# KiCad board final-cu.kicad_pcb (continued)
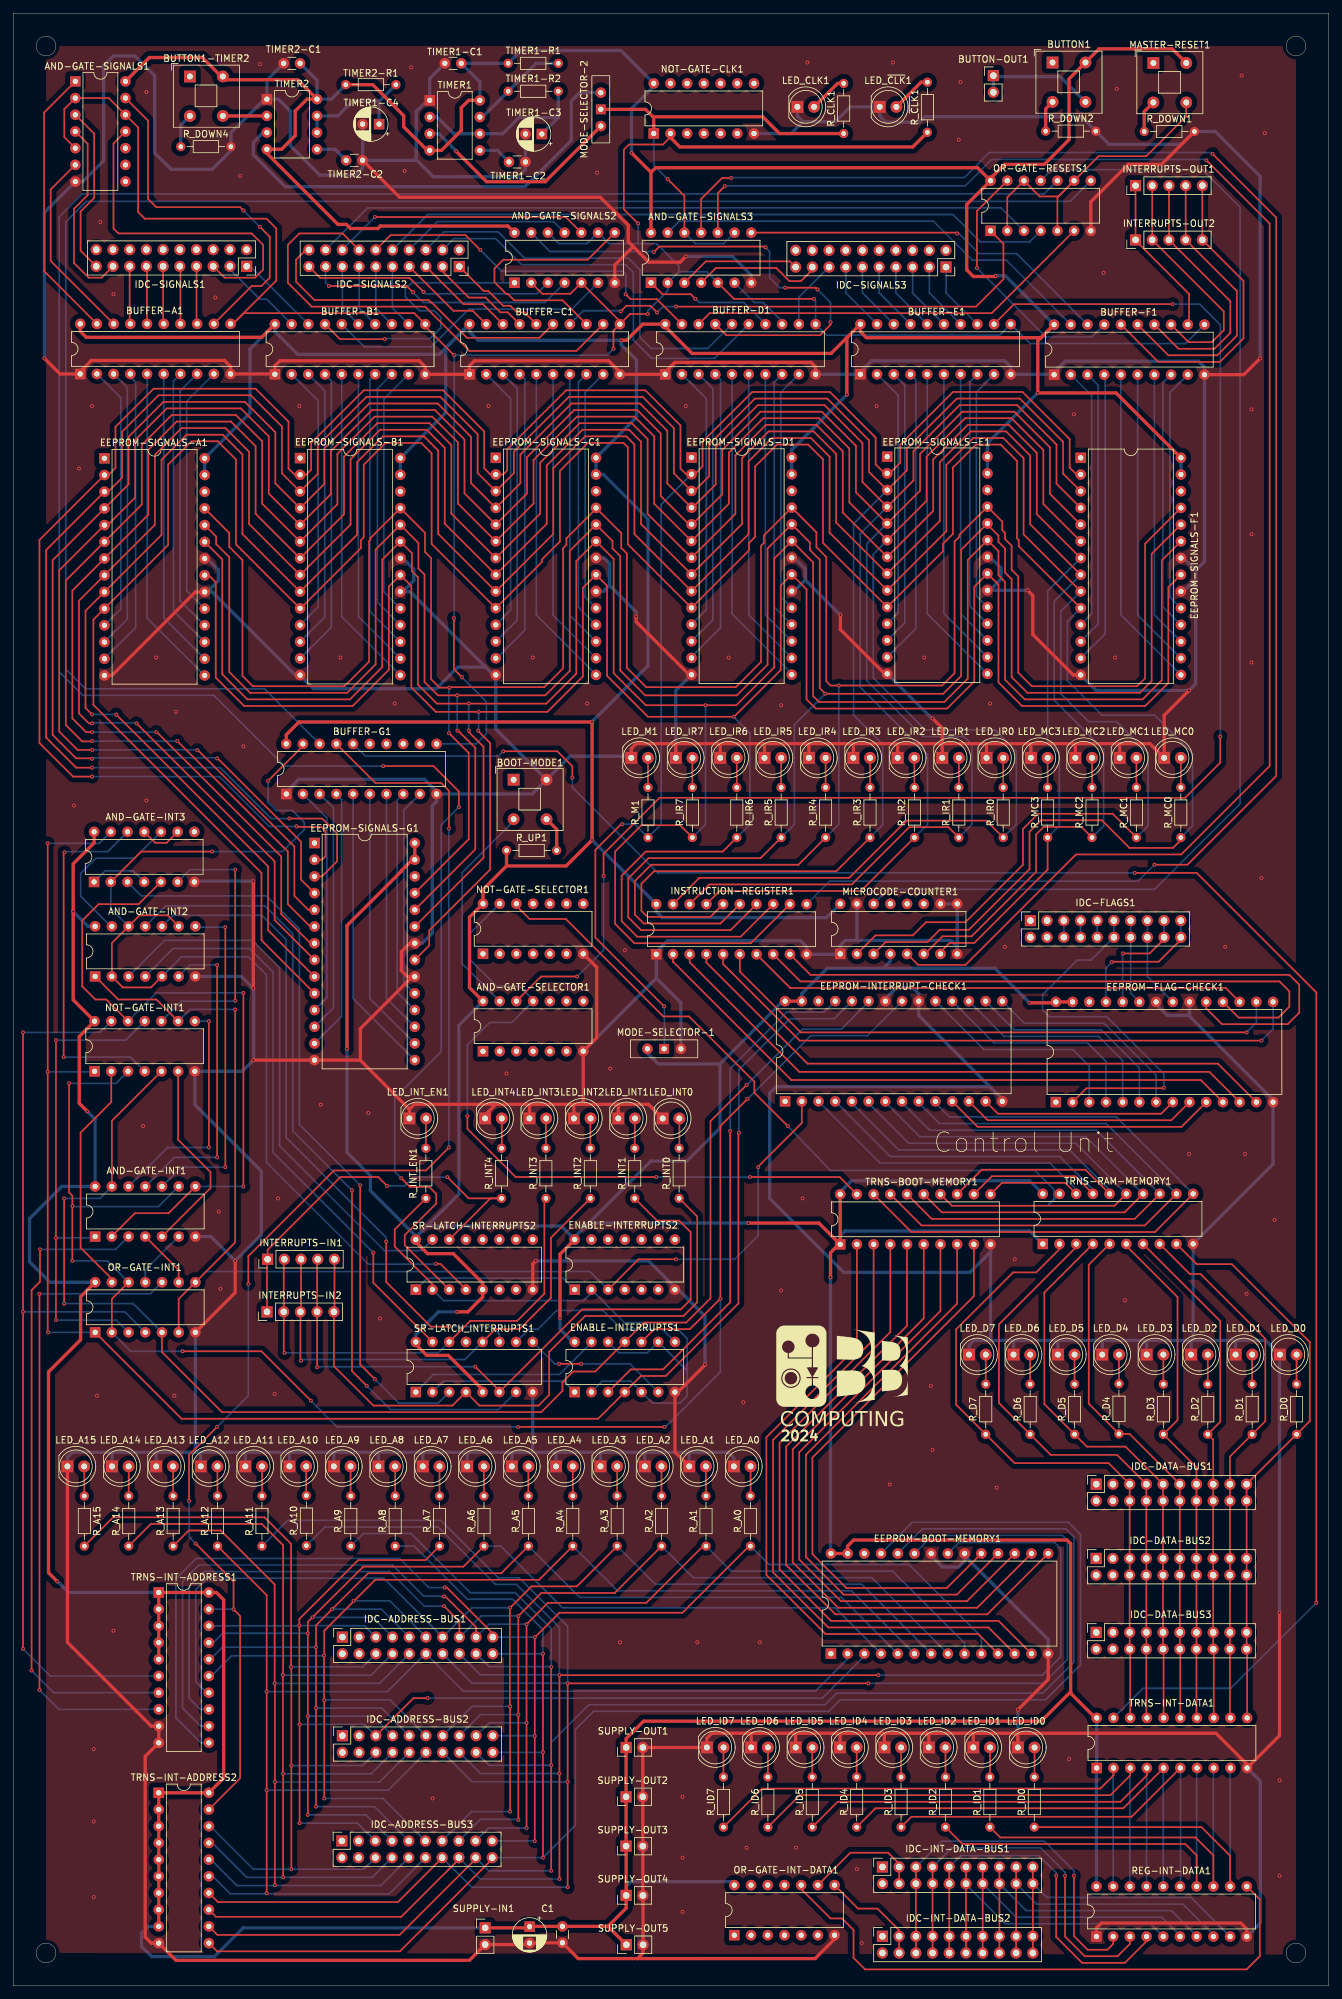
[diagram p0: board, top side]
## Routing (per net, layer and track width the routed paths; a pad name or vN(x,y) marks a point on that pad's centre or on a via; arc(x,y) is an arc through that point) (continued)
VCC: length 1846
  Top w0.5: v1(6.7,61.5) 5.38,62.82 5.38,93.38 10.25,98.25 10.25,104.79 OR-GATE-INT1.14 ; 157.67,252.08 BUFFER-F1.20 ; 157.67,252.08 156.25,250.65 129.7,250.65 128.79,251.57 BUFFER-E1.20 126.74,250.65 ; 157.67,252.08 155.75,250.15 v1(155.75,242.25) 167.65,242.25 EEPROM-SIGNALS-F1.28 ; TRNS-INT-ADDRESS2.9 TRNS-INT-ADDRESS2.8 TRNS-INT-ADDRESS2.7 TRNS-INT-ADDRESS2.6 TRNS-INT-ADDRESS2.5 TRNS-INT-ADDRESS2.4 TRNS-INT-ADDRESS2.3 TRNS-INT-ADDRESS2.2 TRNS-INT-ADDRESS2.1 TRNS-INT-ADDRESS2.20 32,31.61 32,58.7 30.88,59.82 TRNS-INT-ADDRESS1.20 TRNS-INT-ADDRESS1.1 TRNS-INT-ADDRESS1.2 TRNS-INT-ADDRESS1.3 TRNS-INT-ADDRESS1.4 TRNS-INT-ADDRESS1.5 ; OR-GATE-RESETS1.14 146.6,276.5 97.67,276.5 96.96,275.79 ; OR-GATE-RESETS1.14 144.95,270.89 144.95,260.96 145.96,259.95 149.25,259.95 v1(149.36,260.06) ; OR-GATE-RESETS1.14 148.58,274.88 150.7,277 156.75,277 160.5,280.75 160.5,290 BUTTON1.2 165.07,294.57 176.18,294.57 MASTER-RESET1.2 ; 160.75,44.72 160.75,67.25 160.2,67.8 127.77,67.8 126.85,66.88 EEPROM-BOOT-MEMORY1.27 EEPROM-BOOT-MEMORY1.28 ; 160.75,44.72 156.28,40.25 95.84,40.25 93.19,37.6 SUPPLY-OUT1.1 93.17,36.24 SUPPLY-OUT2.1 SUPPLY-OUT3.1 93.19,21.24 SUPPLY-OUT4.1 93.19,11.81 90.42,9.04 ; 160.75,44.72 160.75,44.5 164.5,40.75 TRNS-INT-DATA1.20 ; SR-LATCH-INTERRUPTS2.16 61.2,113.14 62.99,111.35 66.9,111.35 71.36,106.88 SR-LATCH-INTERRUPTS2.5 71.36,104.74 69.12,102.5 v1(67.5,102.5) ; 75,170.31 R_UP1.1 ; 75,170.31 84.06,170.31 v1(88,174.25) v1(88,192.25) 87.95,192.2 43.45,192.2 41.51,190.26 BUFFER-G1.20 ; 75,170.31 71.42,166.73 NOT-GATE-SELECTOR1.14 69.37,162.52 69.37,151.8 AND-GATE-SELECTOR1.14 ; 90.42,9.04 SUPPLY-OUT5.1 ; 90.42,9.04 C2.1 78.79,9.04 78.75,9 C1.1 78.32,8.82 SUPPLY-IN1.1 ; BUFFER-B1.20 37.79,250.7 11.11,250.7 10.19,251.62 BUFFER-A1.20 ; v1(83.12,101.54) 83.12,111.26 ENABLE-INTERRUPTS2.14 ; v1(126.74,241.99) 126.74,250.65 ; 126.74,250.65 124.34,248.25 103.21,248.25 99.12,252.34 BUFFER-D1.20 95.7,252.7 93.25,250.25 v1(92.43,250.25) ; v1(124.25,107.75) 124.25,111.5 125.51,112.76 TRNS-BOOT-MEMORY1.1 ; AND-GATE-SIGNALS3.14 96.96,275.79 ; 96.96,275.79 v1(94,278.75) ; TRNS-BOOT-MEMORY1.1 TRNS-BOOT-MEMORY1.20 ; TRNS-BOOT-MEMORY1.1 122.49,116 v1(111.75,116) ; AND-GATE-INT3.14 12.3,173.8 9.12,170.62 v1(9.12,163.38) 9.12,149.95 NOT-GATE-INT1.14 10.05,144.38 10.05,134.2 v1(11.25,133) ; SR-LATCH_INTERRUPTS1.16 61.2,97.54 62.88,95.88 66.15,95.88 71.36,90.66 SR-LATCH_INTERRUPTS1.5 ; v1(50.75,142.5) 50.75,161.25 59,169.5 59,169.57 60.69,171.26 EEPROM-SIGNALS-G1.27 EEPROM-SIGNALS-G1.28 ; AND-GATE-SIGNALS2.14 75.2,267.62 55.82,267.62 55.44,267.25 51.27,267.25 50.65,267.88 49.38,267.88 38.57,278.68 TIMER2.4 40.8,279.3 42.87,281.37 42.87,285.12 44.67,286.92 TIMER2.8 43.24,289.87 32.37,289.87 BUTTON1-TIMER2.2 31.63,290.37 28.75,293.25 20.69,293.25 AND-GATE-SIGNALS1.14 ; EEPROM-FLAG-CHECK1.27 EEPROM-FLAG-CHECK1.28 158.37,149.5 v1(154.5,149.5) ; EEPROM-INTERRUPT-CHECK1.28 EEPROM-INTERRUPT-CHECK1.27 ; TIMER2-R1.1 54.66,289.12 59.37,284.41 59.37,282.71 62.96,279.12 TIMER1.4 65.08,279.12 68.12,282.16 68.12,285.62 69.24,286.74 TIMER1.8
  Bottom w0.5: TRNS-RAM-MEMORY1.20 154.53,122.44 127.41,122.44 125.72,120.74 TRNS-BOOT-MEMORY1.20 ; 87.38,115.87 85.36,113.85 ENABLE-INTERRUPTS2.14 83.31,115.54 62.9,115.54 61.2,113.85 ; 87.38,115.87 96.93,125.43 102.43,125.43 107.45,130.45 107.45,140.2 ; 87.38,115.87 87.51,116 v1(111.75,116) ; 132.3,154.75 133.34,155.8 MICROCODE-COUNTER1.4 ; 132.3,154.75 123.75,154.75 119.88,150.88 EEPROM-INTERRUPT-CHECK1.27 ; 132.3,154.75 149.25,154.75 v1(154.5,149.5) ; SUPPLY-OUT4.1 93.19,15.1 93.94,15.85 109.09,15.85 OR-GATE-INT-DATA1.14 ; AND-GATE-INT2.14 11.37,161.13 v1(9.12,163.38) ; TIMER1.8 70.94,289.55 TIMER1-C1.1 TIMER1-R1.1 77.2,294.32 92.38,294.32 NOT-GATE-CLK1.14 97.38,288.88 94,285.5 v1(94,278.75) ; EEPROM-SIGNALS-E1.27 EEPROM-SIGNALS-E1.28 148.11,234.61 v1(155.75,242.25) ; ENABLE-INTERRUPTS1.14 85.08,97.93 83.12,99.88 v1(83.12,101.54) ; MODE-SELECTOR-1.1 96.42,141.83 98.05,140.2 107.45,140.2 ; EEPROM-BOOT-MEMORY1.28 124.25,65.81 v1(124.25,107.75) ; AND-GATE-SELECTOR1.14 67.75,146.08 67.75,120.4 61.2,113.85 ; v1(126.74,241.99) 118.36,233.61 EEPROM-SIGNALS-D1.28 EEPROM-SIGNALS-D1.27 ; v1(6.7,61.5) 6.75,61.5 8.43,59.82 TRNS-INT-ADDRESS1.1 ; TRNS-RAM-MEMORY1.1 154.53,114.81 126.47,114.81 125.72,114.06 TRNS-BOOT-MEMORY1.1 ; 107.45,140.2 117,149.75 EEPROM-INTERRUPT-CHECK1.28 ; TIMER2-C1.1 46.19,289.8 TIMER2.8 48.36,286.92 TIMER2-R1.1 ; v1(149.36,260.06) 150.82,260.06 BUFFER-F1.20 ; TRNS-INT-DATA1.20 TRNS-INT-DATA1.1 164.67,33.08 REG-INT-DATA1.20 ; SR-LATCH_INTERRUPTS1.16 61.2,99.06 64.65,102.5 v1(67.5,102.5) ; TRNS-INT-ADDRESS2.9 20.54,9.04 19.5,8 19.5,6 21.05,4.45 30.6,4.45 34.97,8.82 SUPPLY-IN1.1 ; EEPROM-SIGNALS-B1.27 EEPROM-SIGNALS-B1.28 65.75,239.23 65.75,249.08 BUFFER-C1.20 ; 61.2,113.85 SR-LATCH-INTERRUPTS2.16 61.2,114.04 54.3,120.95 54.3,123.2 50.75,126.75 v1(50.75,142.5) ; MICROCODE-COUNTER1.16 123.62,162.45 98.68,162.45 97.76,163.37 INSTRUCTION-REGISTER1.20 91.54,170.72 91.53,170.72 v1(88,174.25) ; v1(11.25,133) 12.46,131.79 AND-GATE-INT1.14 7.38,121.57 2.5,116.69 2.5,110.11 5.61,107 OR-GATE-INT1.14 ; BUFFER-C1.20 69.37,251.57 70.68,250.25 v1(92.43,250.25) 92.43,249.57 94.75,247.25 94.75,238.52 EEPROM-SIGNALS-C1.28 EEPROM-SIGNALS-C1.27 89.74,229.84 96.5,223.08 96.5,200.75 v1(88,192.25) ; BUFFER-C1.20 64.79,248.12 43.23,248.12 39.79,251.57 BUFFER-B1.20 36,248.91 36,239.18 EEPROM-SIGNALS-A1.28 EEPROM-SIGNALS-A1.27 ; EEPROM-SIGNALS-F1.28 EEPROM-SIGNALS-F1.27
(INT_1``_OR_INT_2``)_AND_(~{INT_3``_OR_INT_4``}): length 99.6
  Top w0.25: v1(2.8,47.95) 2.8,105.8 4.08,107.07 v1(4.08,112)
  Bottom w0.25: v1(4.08,112) 15.59,112 AND-GATE-INT1.3 ; v1(2.8,47.95) 6.17,44.58 TRNS-INT-ADDRESS1.7
(~{INT_3``}_AND_(~{INT_1``}_OR_INT_2``))_OR_INT_4``: length 99
  Top w0.25: v1(4,105.25) v1(4,45)
  Bottom w0.25: TRNS-INT-ADDRESS1.8 6.96,42.04 v1(4,45) ; v1(4,105.25) 20.87,105.25 OR-GATE-INT1.10
ADDRESS0: length 214.5
  Top w0.25: R_A0.1 111.88,66.88 101.75,56.75 83.04,56.75 v1(79.29,53) v1(79.29,38) v1(79.29,22) ; IDC-ADDRESS-BUS1.19 72.91,53.59 65.93,60.57 v1(65.6,60.57)
  Bottom w0.25: v1(79.29,38) 79.25,38.04 IDC-ADDRESS-BUS2.19 ; IDC-ADDRESS-BUS1.19 79.21,53.04 ; IDC-ADDRESS-BUS3.19 79.25,22.04 v1(79.29,22) ; TRNS-INT-ADDRESS1.11 28.54,36.96 24.75,40.75 24.75,61.91 27.84,65 58.75,65 63.18,60.57 v1(65.6,60.57) ; R_A0.1 114.88,64.07 136.18,64.07 147.17,53.08 EEPROM-BOOT-MEMORY1.10
ADDRESS1: length 211.2
  Top w0.25: IDC-ADDRESS-BUS1.17 70.37,54.54 65.69,59.22 v1(65.5,59.22) ; R_A1.1 104.88,66.88 96.25,58.25 81.29,58.25 v1(78.04,55) v1(78.04,40) v1(78.04,24)
  Bottom w0.25: IDC-ADDRESS-BUS1.17 72.33,55 78,55 ; v1(78.04,40) 72.33,40 IDC-ADDRESS-BUS2.17 ; IDC-ADDRESS-BUS3.17 72.25,24 v1(78.04,24) ; v1(65.5,59.22) 65.47,59.25 62.41,59.25 57.66,64 28.25,64 25.75,61.5 25.75,42.25 28.5,39.5 TRNS-INT-ADDRESS1.12 ; R_A1.1 109.12,63.07 133.68,63.07 144.63,52.12 EEPROM-BOOT-MEMORY1.9
ADDRESS2: length 206.7
  Top w0.25: v1(76.79,25.25) v1(76.79,41.25) v1(76.79,56.25) 80.29,59.75 91.5,59.75 91.5,59.81 R_A2.1 ; IDC-ADDRESS-BUS1.15 67.83,55.42 v1(65.5,57.75)
  Bottom w0.25: IDC-ADDRESS-BUS2.15 71.04,41.25 v1(76.79,41.25) ; TRNS-INT-ADDRESS1.13 28.46,42.04 26.75,43.75 26.75,60.75 29,63 57.25,63 62.5,57.75 v1(65.5,57.75) ; IDC-ADDRESS-BUS3.15 71.03,25.32 76.72,25.32 v1(76.79,25.25) ; EEPROM-BOOT-MEMORY1.8 130.53,62.07 103.38,62.07 R_A2.1 ; 76.75,56.25 71.14,56.25 67.93,53.04 IDC-ADDRESS-BUS1.15
ADDRESS3: length 200.7
  Top w0.25: v1(75.54,26.5) v1(75.54,42.5) 75.5,42.54 75.5,57.46 v1(75.54,57.5) 78.79,60.75 85.69,60.75 R_A3.1
  Bottom w0.25: TRNS-INT-ADDRESS1.14 29.42,44.58 27.75,46.25 27.75,60.25 29.5,62 56.33,62 IDC-ADDRESS-BUS1.13 69.75,57.5 75.5,57.5 ; IDC-ADDRESS-BUS2.13 69.75,42.5 v1(75.54,42.5) ; EEPROM-BOOT-MEMORY1.7 128.99,61.07 97.62,61.07 R_A3.1 ; IDC-ADDRESS-BUS3.13 69.67,26.5 v1(75.54,26.5)
ADDRESS4: length 195.3
  Top w0.25: R_A4.1 79.94,61.75 55.04,61.75 47.29,54 47.29,50.29 v1(47.25,50.25) 47.25,43.47 v1(47.29,43.43) 47.29,28.5 v1(47.29,28.5)
  Bottom w0.25: IDC-ADDRESS-BUS1.11 57.25,58.54 v1(51.75,58.54) ; v1(47.29,28.5) 56.21,28.5 IDC-ADDRESS-BUS3.11 ; IDC-ADDRESS-BUS2.11 57.29,43.5 47.37,43.5 v1(47.29,43.43) ; v1(47.25,50.25) 47.2,50.2 33.2,50.2 30.12,47.12 TRNS-INT-ADDRESS1.15 ; EEPROM-BOOT-MEMORY1.6 127.44,60.07 91.88,60.07 R_A4.1
ADDRESS5: length 190.5
  Top w0.25: v1(46.04,27.25) v1(46.04,42.25) 46.04,51.46 v1(46,51.5) 46.04,51.54 46.04,54.83 53.96,62.75 74.19,62.75 R_A5.1
  Bottom w0.25: IDC-ADDRESS-BUS1.9 55.96,57.29 v1(48.5,57.29) ; v1(46.04,42.25) 56,42.25 IDC-ADDRESS-BUS2.9 ; v1(46.04,27.25) 54.92,27.25 IDC-ADDRESS-BUS3.9 ; TRNS-INT-ADDRESS1.16 29.95,49.66 31.8,51.5 v1(46,51.5) ; EEPROM-BOOT-MEMORY1.5 125.91,59.07 86.13,59.07 R_A5.1
ADDRESS6: length 185.6
  Top w0.25: R_A6.1 68.44,63.75 53.21,63.75 44.79,55.33 v1(44.79,53.61) v1(44.79,41) v1(44.79,26)
  Bottom w0.25: IDC-ADDRESS-BUS2.7 54.71,41 v1(44.79,41) ; IDC-ADDRESS-BUS3.7 53.63,26 v1(44.79,26) ; v1(45.5,56.04) 54.67,56.04 IDC-ADDRESS-BUS1.7 ; R_A6.1 74.12,66.88 83.5,57.5 124.94,57.5 EEPROM-BOOT-MEMORY1.4 ; v1(44.79,53.61) 31.86,53.61 30.45,52.2 TRNS-INT-ADDRESS1.17
ADDRESS7: length 187.7
  Top w0.25: IDC-ADDRESS-BUS2.5 60.84,43.75 v1(63,43.75) ; R_A7.1 62.69,64.75 52.46,64.75 43.5,55.79 v1(43.5,54.79) 43.5,39.79 v1(43.54,39.75) v1(43.54,24.75)
  Bottom w0.25: TRNS-INT-ADDRESS1.18 43.45,54.74 v1(43.5,54.79) 53.41,54.76 IDC-ADDRESS-BUS1.5 ; IDC-ADDRESS-BUS3.5 52.34,24.75 v1(43.54,24.75) ; v1(63,43.75) 123,43.75 129.39,50.14 EEPROM-BOOT-MEMORY1.3 ; v1(43.54,39.75) 43.56,39.76 53.41,39.76 IDC-ADDRESS-BUS2.5
ADDRESS8: length 290.2
  Top w0.25: IDC-ADDRESS-BUS3.20 72.83,19.29 58.79,5.25 31,5.25 TRNS-INT-ADDRESS2.11 ; v1(80.54,19.5) v1(80.54,50.5)
  Bottom w0.25: R_A8.1 60.96,66.88 69.05,58.79 75.91,58.79 80.54,54.16 v1(80.54,50.5) ; EEPROM-BOOT-MEMORY1.25 136.68,70.5 160.41,70.5 162.25,68.66 162.25,48.82 156.93,43.5 125.75,43.5 124,41.75 88.25,41.75 85.47,38.96 85.47,24.43 v1(80.54,19.5) IDC-ADDRESS-BUS3.20 ; v1(80.54,35.54) 80.5,35.5 IDC-ADDRESS-BUS2.20 ; IDC-ADDRESS-BUS1.20 80.46,50.5
ADDRESS9: length 292.8
  Top w0.25: IDC-ADDRESS-BUS3.18 70.29,19.29 58.75,7.75 31.04,7.75 TRNS-INT-ADDRESS2.12 ; v1(81.79,17.5) v1(81.79,48.5)
  Bottom w0.25: v1(81.79,48.5) 81.79,54.33 76.33,59.79 69.46,59.79 60.46,68.79 53.23,68.79 R_A9.1 ; 81.75,48.54 72.33,48.54 IDC-ADDRESS-BUS1.18 ; IDC-ADDRESS-BUS3.18 72.29,17.5 v1(81.79,17.5) ; EEPROM-BOOT-MEMORY1.24 138.22,69.5 160,69.5 161.25,68.25 161.25,49.23 156.52,44.5 125.16,44.5 123.41,42.75 87.5,42.75 81.79,37.04 v1(81.79,33.54) 72.33,33.54 IDC-ADDRESS-BUS2.18
ADDRESS10: length 288.3
  Top w0.25: v1(83.04,16.25) v1(83.04,47.25) v1(131.5,47.25) ; IDC-ADDRESS-BUS3.16 67.75,19.25 59,10.5 30.83,10.5 TRNS-INT-ADDRESS2.13
  Bottom w0.25: IDC-ADDRESS-BUS2.16 71.04,32.29 v1(83.04,32.29) ; v1(131.5,47.25) 156.44,47.25 159.25,50.06 159.25,66.5 158.32,67.43 143.76,67.43 EEPROM-BOOT-MEMORY1.21 ; v1(83.04,47.25) 83.04,54.5 76.5,61.04 73.34,61.04 64.59,69.79 47.42,69.79 R_A10.1 ; IDC-ADDRESS-BUS3.16 71,16.25 v1(83.04,16.25) ; 83,47.29 71.04,47.29 IDC-ADDRESS-BUS1.16
ADDRESS11: length 316.1
  Top w0.25: TRNS-INT-ADDRESS2.14 31.12,12.75 58.5,12.75 65.21,19.46 IDC-ADDRESS-BUS3.14 ; v1(84.29,15) v1(84.29,46) v1(130,46)
  Bottom w0.25: IDC-ADDRESS-BUS3.14 69.71,15 v1(84.29,15) ; 84.25,46.04 69.75,46.04 IDC-ADDRESS-BUS1.14 ; v1(84.29,46) 84.29,54.66 76.91,62.04 73.75,62.04 65,70.79 41.73,70.79 R_A11.1 ; IDC-ADDRESS-BUS2.14 69.75,31.04 v1(84.29,31.04) ; EEPROM-BOOT-MEMORY1.23 139.76,68.5 159.5,68.5 160.25,67.75 160.25,49.65 156.6,46 v1(130,46)
ADDRESS12: length 214.7
  Top w0.25: v1(38.54,14.07) v1(38.54,29.75) v1(38.54,44.75) 38.54,59.41 R_A12.1
  Bottom w0.25: v1(38.54,44.75) 56.9,44.75 62.65,50.5 IDC-ADDRESS-BUS1.12 68.42,44.82 121.94,44.82 126.85,49.74 EEPROM-BOOT-MEMORY1.2 ; TRNS-INT-ADDRESS2.15 30.34,16.66 33,14 38.47,14 v1(38.54,14.07) 38.61,14 57.17,14 IDC-ADDRESS-BUS3.12 ; v1(38.54,29.75) 57,29.75 IDC-ADDRESS-BUS2.12
ADDRESS13: length 144
  Top w0.25: R_A13.1 26.69,69.25 31.54,69.25 39.75,61.04 v1(39.75,46) 39.79,45.96 v1(39.79,31) v1(39.79,15.32)
  Bottom w0.25: v1(39.79,31) 55.71,31 IDC-ADDRESS-BUS2.10 ; v1(39.75,46) 55.71,46 IDC-ADDRESS-BUS1.10 ; IDC-ADDRESS-BUS3.10 55.88,15.25 39.86,15.25 v1(39.79,15.32) 39.72,15.25 34,15.25 30.05,19.2 TRNS-INT-ADDRESS2.16
ADDRESS14: length 144.2
  Top w0.25: 41.04,32 41,32.04 v1(41,47.25) 41.04,47.29 41.04,67 37.79,70.25 20.94,70.25 R_A14.1 ; 41.04,32 v1(41.04,16.5) ; 41.04,32 v1(41.04,32.25)
  Bottom w0.25: IDC-ADDRESS-BUS1.8 54.42,47.25 v1(41,47.25) ; v1(41.04,32.25) 54.42,32.25 IDC-ADDRESS-BUS2.8 ; IDC-ADDRESS-BUS3.8 54.59,16.5 v1(41.04,16.5) 35.5,16.5 30.26,21.74 TRNS-INT-ADDRESS2.17
ADDRESS15: length 140.5
  Top w0.25: R_A15.2 15.19,71.25 38.2,71.25 42.25,67.2 v1(42.25,48.5) 42.29,48.46 v1(42.29,33.5) v1(42.29,17.75)
  Bottom w0.25: v1(42.25,48.5) 53.13,48.5 IDC-ADDRESS-BUS1.6 ; IDC-ADDRESS-BUS2.6 53.13,33.5 v1(42.29,33.5) ; IDC-ADDRESS-BUS3.6 53.3,17.75 v1(42.29,17.75) 36.5,17.75 29.97,24.28 TRNS-INT-ADDRESS2.18
ALU_OPC_0: length 8.8
  Top w0.25: IDC-SIGNALS1.15 17.71,252.85 BUFFER-A1.17
ALU_OPC_1: length 8.8
  Top w0.25: BUFFER-A1.16 20.35,261.4 IDC-SIGNALS1.13
ALU_OPC_2: length 8.8
  Top w0.25: IDC-SIGNALS1.11 22.79,252.85 BUFFER-A1.15
ALU_OPC_3: length 8.8
  Top w0.25: IDC-SIGNALS1.9 25.43,261.4 BUFFER-A1.14
ALU_OPC_4: length 8.8
  Top w0.25: BUFFER-A1.13 27.87,252.85 IDC-SIGNALS1.7
CLK: length 67
  Top w0.25: AND-GATE-SIGNALS3.12 102.04,272.21 v1(99.5,274.75)
  Top w0.5: 97.38,284.24 97.26,284.24 96.13,285.37 MODE-SELECTOR-2.2 ; 97.38,284.24 113.95,284.24 116.5,281.69 R_CLK1.1 ; 97.38,284.24 NOT-GATE-CLK1.1
  Bottom w0.25: NOT-GATE-CLK1.1 97.38,276.88 v1(99.5,274.75) ; AND-GATE-SIGNALS3.12 103.72,264.94 107.99,264.94 AND-GATE-SIGNALS3.9
DATA0: length 87.6
  Top w0.25: 176.84,112.82 179.91,109.75 185.25,109.75 197.09,97.91 197.09,85.88 R_D0.1 195.09,83.88 IDC-DATA-BUS1.19 IDC-DATA-BUS1.20 IDC-DATA-BUS3.20 187.58,51.13 TRNS-INT-DATA1.11
DATA1: length 81.9
  Top w0.25: TRNS-RAM-MEMORY1.8 178.87,108.25 180.5,108.25 190.34,98.41 190.34,85.88 R_D1.1 184.96,80.5 IDC-DATA-BUS1.17 IDC-DATA-BUS1.18 IDC-DATA-BUS3.18 184.96,40.83 TRNS-INT-DATA1.12
DATA2: length 78.1
  Top w0.25: TRNS-INT-DATA1.13 182.5,51.13 IDC-DATA-BUS3.16 IDC-DATA-BUS1.16 IDC-DATA-BUS1.15 182.42,83.06 R_D2.1 183.5,85.78 183.5,101.08 TRNS-RAM-MEMORY1.7
DATA3: length 78.3
  Top w0.25: 169.22,112.82 169.22,112.53 177,104.75 177,86.03 R_D3.1 179.88,78.84 IDC-DATA-BUS1.13 IDC-DATA-BUS1.14 IDC-DATA-BUS3.14 179.88,40.83 TRNS-INT-DATA1.14
DATA4: length 80.1
  Top w0.25: 166.68,112.82 163.5,109.65 163.5,88.53 R_D4.1 169.69,83.94 IDC-DATA-BUS1.11 IDC-DATA-BUS1.12 IDC-DATA-BUS3.12 177.42,51.13 TRNS-INT-DATA1.15
DATA5: length 86.1
  Top w0.25: TRNS-INT-DATA1.16 174.88,51.13 IDC-DATA-BUS3.10 IDC-DATA-BUS1.10 IDC-DATA-BUS1.9 169.09,82 163.22,82 R_D5.1 156.75,88.47 156.75,105.44 TRNS-RAM-MEMORY1.4
DATA6: length 92.2
  Top w0.25: TRNS-INT-DATA1.17 172.26,40.83 IDC-DATA-BUS3.8 IDC-DATA-BUS1.8 IDC-DATA-BUS1.7 167.8,80.75 157.72,80.75 R_D6.1 149.84,88.63 149.84,100.59 161.59,112.34 TRNS-RAM-MEMORY1.3
DATA7: length 100
  Top w0.25: TRNS-INT-DATA1.18 169.8,51.13 IDC-DATA-BUS3.6 IDC-DATA-BUS1.6 IDC-DATA-BUS1.5 166.51,79.5 152.22,79.5 R_D7.1 143.34,88.38 143.34,99.84 152,108.5 155.52,108.5 159.06,112.03 159.06,112.82
FLAG0: length 21.2
  Top w0.25: v1(167,155.68) 167.07,155.75 174.14,155.75 177.49,159.1 IDC-FLAGS1.20
  Bottom w0.25: v1(167,155.68) 166.12,154.79 EEPROM-FLAG-CHECK1.25 ; IDC-FLAGS1.19 IDC-FLAGS1.20
FLAG1: length 17.3
  Top w0.25: v1(168.69,157) 172.75,157 174.95,159.2 IDC-FLAGS1.18
  Bottom w0.25: EEPROM-FLAG-CHECK1.24 168.66,156.97 v1(168.69,157) ; IDC-FLAGS1.17 IDC-FLAGS1.18
FLAG2: length 14
  Bottom w0.25: EEPROM-FLAG-CHECK1.21 172.41,153.5 IDC-FLAGS1.16 IDC-FLAGS1.15
FLAG3: length 12.9
  Bottom w0.25: EEPROM-FLAG-CHECK1.23 169.87,150.97 IDC-FLAGS1.14 IDC-FLAGS1.13
FLAG4: length 58.7
  Top w0.25: EEPROM-FLAG-CHECK1.2 163.15,136.5 174.84,136.5 v1(174.91,136.57)
  Bottom w0.25: IDC-FLAGS1.11 IDC-FLAGS1.12 163.87,156 161.75,156 156.5,150.75 156.5,148.38 157.5,147.38 166.24,147.38 174.91,138.71 v1(174.91,136.57)
FLAG5: length 2.5
  Bottom w0.25: IDC-FLAGS1.9 IDC-FLAGS1.10
FLAG6: length 2.5
  Bottom w0.25: IDC-FLAGS1.7 IDC-FLAGS1.8
FLAG7: length 2.5
  Bottom w0.25: IDC-FLAGS1.5 IDC-FLAGS1.6
INT_0: length 103
  Top w0.25: INTERRUPTS-IN1.5 48.84,102.59 INTERRUPTS-IN2.5 48.75,94.25 54.75,88.25 66.77,88.25 SR-LATCH_INTERRUPTS1.4 70.88,88.25 79.86,88.25 81.48,89.88 81.48,96.42 86.94,101.88 101.9,101.88 103.99,103.96 103.99,117.01 R_INT0.1
INT_0`: length 23
  Bottom w0.25: SR-LATCH_INTERRUPTS1.2 65.42,91.98 83.69,91.98 ENABLE-INTERRUPTS1.1
INT_0``: length 80
  Top w0.25: ENABLE-INTERRUPTS1.3 93.88,93.75 98.79,93.75 109,103.96 v1(109,130)
  Bottom w0.25: EEPROM-INTERRUPT-CHECK1.25 123.28,148.07 117.57,148.07 109,139.5 v1(109,130)
INT_1: length 101.7
  Top w0.25: INTERRUPTS-IN1.4 46.21,110.41 INTERRUPTS-IN2.4 v1(46.21,94.07) ; v1(70.25,94.16) 73.91,90.5 SR-LATCH_INTERRUPTS1.6 86.47,102.88 101.49,102.88 102.99,104.38 102.99,114.62 101.24,116.38 97.87,116.38 R_INT1.1
  Bottom w0.25: v1(70.25,94.16) 46.29,94.16 v1(46.21,94.07)
INT_1`: length 22.2
  Top w0.25: v1(86.34,94.6) 83.01,94.6 v1(83,94.59)
  Bottom w0.25: ENABLE-INTERRUPTS1.6 93.76,94.6 v1(86.34,94.6) ; SR-LATCH_INTERRUPTS1.9 82.32,94.59 v1(83,94.59)
INT_1``: length 266.5
  Top w0.25: v1(110.32,129.74) 110.25,129.66 110.25,103.79 99.21,92.75 95.42,92.75 ENABLE-INTERRUPTS1.4 88.92,86.25 25.59,86.25 OR-GATE-INT1.1 ; v1(5.3,99.38) 5.25,99.44 v1(5.25,139) v1(5.25,173.75)
  Bottom w0.25: AND-GATE-INT3.13 13.09,173.75 v1(5.25,173.75) ; v1(110.32,129.74) 110.32,139.32 118.07,147.07 124.82,147.07 EEPROM-INTERRUPT-CHECK1.24 ; v1(5.25,139) 12.3,139 ; v1(5.3,99.38) OR-GATE-INT1.1
INT_1``_AND_~{INT_2``}_AND_(~{INT3``_OR_INT4``}): length 24.9
  Bottom w0.25: AND-GATE-INT3.10 18.46,171.5 12.57,171.5 10.25,169.18 10.25,165.71 14.83,161.13 AND-GATE-INT2.13
INT_1``_OR_INT_2``: length 74.8
  Top w0.25: v1(6.5,101.25) v1(6.5,113.75) v1(6.5,143.82)
  Bottom w0.25: NOT-GATE-INT1.11 17.12,143.82 v1(6.5,143.82) ; OR-GATE-INT1.3 15.67,101.25 v1(6.5,101.25) ; v1(6.5,113.75) 12.26,113.75
INT_2: length 75.1
  Top w0.25: v1(43.75,95.07) 43.67,95.16 INTERRUPTS-IN2.3 43.76,102.59 INTERRUPTS-IN1.3 ; SR-LATCH_INTERRUPTS1.12 73.31,99.88 76.98,99.88 81.75,104.64 81.75,113.77 R_INT2.1
  Bottom w0.25: v1(43.75,95.07) 43.92,95.25 68.69,95.25 SR-LATCH_INTERRUPTS1.12
INT_2`: length 28.1
  Bottom w0.25: ENABLE-INTERRUPTS1.8 98.67,99.85 92.51,99.85 89.65,102.72 82.64,102.72 79.78,99.85 78.38,99.85 SR-LATCH_INTERRUPTS1.10
INT_2``: length 262.4
  Top w0.25: v1(111.62,134.88) 107.5,130.75 v1(107.5,104.5) 102.87,99.87 97.47,99.87 ENABLE-INTERRUPTS1.10 ; OR-GATE-INT1.2 15,104.46 OR-GATE-INT1.12 ; v1(9,110.25) v1(9,118.57) 9,120.16 8.5,120.66 v1(8.5,137.25) ; v1(45.25,89) 37.75,96.5 v1(25.75,96.5) ; v1(99,85) v1(76.75,85)
  Bottom w0.25: OR-GATE-INT1.2 17.88,96.5 v1(25.75,96.5) ; EEPROM-INTERRUPT-CHECK1.21 129.87,144.5 121.25,144.5 v1(111.62,134.88) ; v1(45.25,89) 49.25,85 v1(76.75,85) ; v1(8.5,137.25) 15.62,137.25 NOT-GATE-INT1.3 ; v1(9,118.57) 9.08,118.5 22.09,118.5 AND-GATE-INT1.9 ; OR-GATE-INT1.12 14.29,110.25 v1(9,110.25) ; v1(99,85) 99.15,85 107.5,93.35 v1(107.5,104.5)
INT_2``_AND_(~{INT_3``_OR_INT_4``}): length 51.9
  Top w0.25: v1(32.25,161) v1(32.25,124.5)
  Bottom w0.25: v1(32.25,124.5) 25.55,124.5 AND-GATE-INT1.10 ; AND-GATE-INT2.8 27.83,161 v1(32.25,161)
INT_3: length 72.2
  Top w0.25: v1(41.25,96.25) 41.13,96.37 INTERRUPTS-IN2.2 41.13,110.41 INTERRUPTS-IN1.2 ; SR-LATCH_INTERRUPTS1.14 69.48,101.12 76.6,101.12 80.73,105.25 80.75,105.25 80.75,119.52 R_INT3.1
  Bottom w0.25: v1(41.25,96.25) 64.61,96.25 SR-LATCH_INTERRUPTS1.14
INT_3`: length 29.9
  Bottom w0.25: ENABLE-INTERRUPTS1.13 87.9,97.83 83.05,92.98 63.88,92.98 SR-LATCH_INTERRUPTS1.1
INT_3``: length 218
  Top w0.25: AND-GATE-INT1.13 15,131.54 NOT-GATE-INT1.5 ; OR-GATE-INT1.5 22.62,96.38 31.75,87.25 80.27,87.25 83.5,90.48 83.5,91.79 85.14,93.43 88.48,93.43 ENABLE-INTERRUPTS1.11 95.93,100.88 102.31,100.88 106,104.56 106,131.5 v1(111.5,137) ; v1(7.75,119.75) v1(7.75,103.75)
  Bottom w0.25: EEPROM-INTERRUPT-CHECK1.23 130.04,149.65 125.9,145.5 120,145.5 v1(111.5,137) ; OR-GATE-INT1.5 18.25,103.75 v1(7.75,103.75) ; v1(7.75,119.75) 13.18,119.75 AND-GATE-INT1.13
INT_3``_AND_~{INT_4``}: length 48.6
  Top w0.25: v1(31,155.25) v1(31,126)
  Bottom w0.25: v1(31,126) 24.51,126 AND-GATE-INT1.11 ; v1(31,155.25) 26.9,155.25 AND-GATE-INT2.6
INT_3``_OR_INT_4``: length 150.1
  Top w0.25: v1(1.5,51.25) v1(1.5,102.5) v1(1.5,145)
  Bottom w0.25: NOT-GATE-INT1.13 13.22,145 v1(1.5,145) ; v1(1.5,102.5) 16.96,102.5 OR-GATE-INT1.4 ; TRNS-INT-ADDRESS1.6 5.63,47.12 v1(1.5,51.25)
INT_4: length 62.6
  Top w0.25: INTERRUPTS-IN2.1 38.59,110.41 INTERRUPTS-IN1.1 38.68,111.93 49.75,123 55.5,123 v1(56.85,121.65) ; SR-LATCH-INTERRUPTS2.14 72.55,119.76 R_INT4.1 69.24,119.76 v1(66,123)
  Bottom w0.25: v1(66,123) 60.84,123 59.49,121.65 v1(56.85,121.65)
INT_4`: length 25.6
  Bottom w0.25: ENABLE-INTERRUPTS2.1 83.61,107.62 62.95,107.62 SR-LATCH-INTERRUPTS2.1
INT_4``: length 191.5
  Top w0.25: v1(113.25,124.5) 113.25,124.59 119.88,131.22 EEPROM-INTERRUPT-CHECK1.2 ; OR-GATE-INT1.6 25.16,104.46 OR-GATE-INT1.8 33.75,113.05 v1(33.75,148.47) ; AND-GATE-INT2.1 15.97,150 21.77,150 NOT-GATE-INT1.9 ; v1(100.75,110.5) 95.06,110.5 ENABLE-INTERRUPTS2.3
  Bottom w0.25: ENABLE-INTERRUPTS2.3 87.69,108.62 29.33,108.62 OR-GATE-INT1.8 ; v1(33.75,148.47) 33.72,148.5 26.88,148.5 NOT-GATE-INT1.9 ; v1(100.75,110.5) 109.66,110.5 113.25,114.09 v1(113.25,124.5)
INT_DATA0: length 54.3
  Top w0.25: REG-INT-DATA1.12 184.99,19.79 180.64,24.14 R_ID0.1
  Bottom w0.25: TRNS-INT-DATA1.9 184.99,33.08 REG-INT-DATA1.12
INT_DATA1: length 58.5
  Top w0.25: R_ID1.1 150.05,22.56 179.72,22.56 182.45,19.84 REG-INT-DATA1.13
  Bottom w0.25: TRNS-INT-DATA1.8 182.45,33.08 REG-INT-DATA1.13
INT_DATA2: length 62.7
  Top w0.25: REG-INT-DATA1.14 179.91,19.84 178.19,21.56 144.3,21.56 R_ID2.1
  Bottom w0.25: TRNS-INT-DATA1.7 179.91,33.08 REG-INT-DATA1.14
INT_DATA3: length 64.2
  Top w0.25: R_ID3.1 136.55,25.71 170,25.71 TRNS-INT-DATA1.6
  Bottom w0.25: TRNS-INT-DATA1.6 177.46,33.09 177.46,15.21 REG-INT-DATA1.15
INT_DATA4: length 68.4
  Top w0.25: TRNS-INT-DATA1.5 174.88,33.12 168.76,27 131.09,27 R_ID4.1
  Bottom w0.25: REG-INT-DATA1.16 174.83,33.08 TRNS-INT-DATA1.5
INT_DATA5: length 73.3
  Top w0.25: TRNS-INT-DATA1.4 172.34,32 168.34,28 125.34,28 R_ID5.1
  Bottom w0.25: TRNS-INT-DATA1.4 172.29,33.08 REG-INT-DATA1.17
INT_DATA6: length 77.5
  Top w0.25: R_ID6.1 119.59,29 166.8,29 169.8,32 TRNS-INT-DATA1.3
  Bottom w0.25: TRNS-INT-DATA1.3 169.75,33.08 REG-INT-DATA1.18
INT_DATA7: length 81.7
  Top w0.25: TRNS-INT-DATA1.2 167.26,32 165.26,30 113.84,30 R_ID7.1
  Bottom w0.25: REG-INT-DATA1.19 167.21,33.08 TRNS-INT-DATA1.2
INT_DATA_IN_0: length 46.4
  Top w0.25: IDC-INT-DATA-BUS1.19 IDC-INT-DATA-BUS1.20 IDC-INT-DATA-BUS2.19 IDC-INT-DATA-BUS2.20
  Bottom w0.25: REG-INT-DATA1.9 179.04,13.44 157.09,13.44 IDC-INT-DATA-BUS1.20
INT_DATA_IN_1: length 46.6
  Top w0.25: IDC-INT-DATA-BUS1.17 IDC-INT-DATA-BUS1.18 IDC-INT-DATA-BUS2.17 IDC-INT-DATA-BUS2.18
  Bottom w0.25: IDC-INT-DATA-BUS1.18 155.56,12.44 177.81,12.44 182.45,7.8 REG-INT-DATA1.8
INT_DATA_IN_2: length 46.5
  Top w0.25: IDC-INT-DATA-BUS1.15 IDC-INT-DATA-BUS1.16 IDC-INT-DATA-BUS2.15 IDC-INT-DATA-BUS2.16
  Bottom w0.25: IDC-INT-DATA-BUS1.16 154.01,11.44 176.06,11.44 179.91,7.59 REG-INT-DATA1.7
INT_DATA_IN_3: length 46.5
  Top w0.25: IDC-INT-DATA-BUS2.14 IDC-INT-DATA-BUS2.13 IDC-INT-DATA-BUS1.14 IDC-INT-DATA-BUS1.13
  Bottom w0.25: IDC-INT-DATA-BUS1.14 152.47,10.44 174.62,10.44 177.37,7.69 REG-INT-DATA1.6
INT_DATA_IN_4: length 46.5
  Top w0.25: IDC-INT-DATA-BUS2.12 IDC-INT-DATA-BUS2.11 IDC-INT-DATA-BUS1.12 IDC-INT-DATA-BUS1.11
  Bottom w0.25: REG-INT-DATA1.5 172.88,9.44 150.81,9.44 144.84,15.41 IDC-INT-DATA-BUS1.12
INT_DATA_IN_5: length 58.3
  Top w0.25: v1(158.55,16.75) 158.55,7.44 162.49,3.5 169,3.5 172.29,6.79 REG-INT-DATA1.4 ; IDC-INT-DATA-BUS1.9 IDC-INT-DATA-BUS1.10 IDC-INT-DATA-BUS2.9 IDC-INT-DATA-BUS2.10
  Bottom w0.25: v1(158.55,16.75) 158.55,17.2 155.94,19.81 144.03,19.81 IDC-INT-DATA-BUS1.9
INT_DATA_IN_6: length 58.7
  Top w0.25: IDC-INT-DATA-BUS1.7 IDC-INT-DATA-BUS1.8 IDC-INT-DATA-BUS2.7 IDC-INT-DATA-BUS2.8 ; REG-INT-DATA1.3 169.75,6.37 167.88,4.5 162.91,4.5 159.9,7.51 v1(159.9,16.75)
  Bottom w0.25: v1(159.9,16.75) 159.9,17.26 156.16,21 142.68,21 IDC-INT-DATA-BUS1.7
INT_DATA_IN_7: length 58.8
  Top w0.25: IDC-INT-DATA-BUS2.6 IDC-INT-DATA-BUS2.5 IDC-INT-DATA-BUS1.6 IDC-INT-DATA-BUS1.5 ; v1(161.25,16.75) 161.25,7.57 163.32,5.5 166.34,5.5 167.21,6.37 REG-INT-DATA1.2
  Bottom w0.25: v1(161.25,16.75) 161.25,17.5 156.75,22 141.14,22 IDC-INT-DATA-BUS1.5
INT_ENABLE: length 102.8
  Top w0.25: SR-LATCH-INTERRUPTS2.2 63.75,106.69 58,112.43 58,115.02 R_INT_EN1.1